# Allegro board 1155001-Timing_board_V3_20241024_1805_pcb.brd (continued)
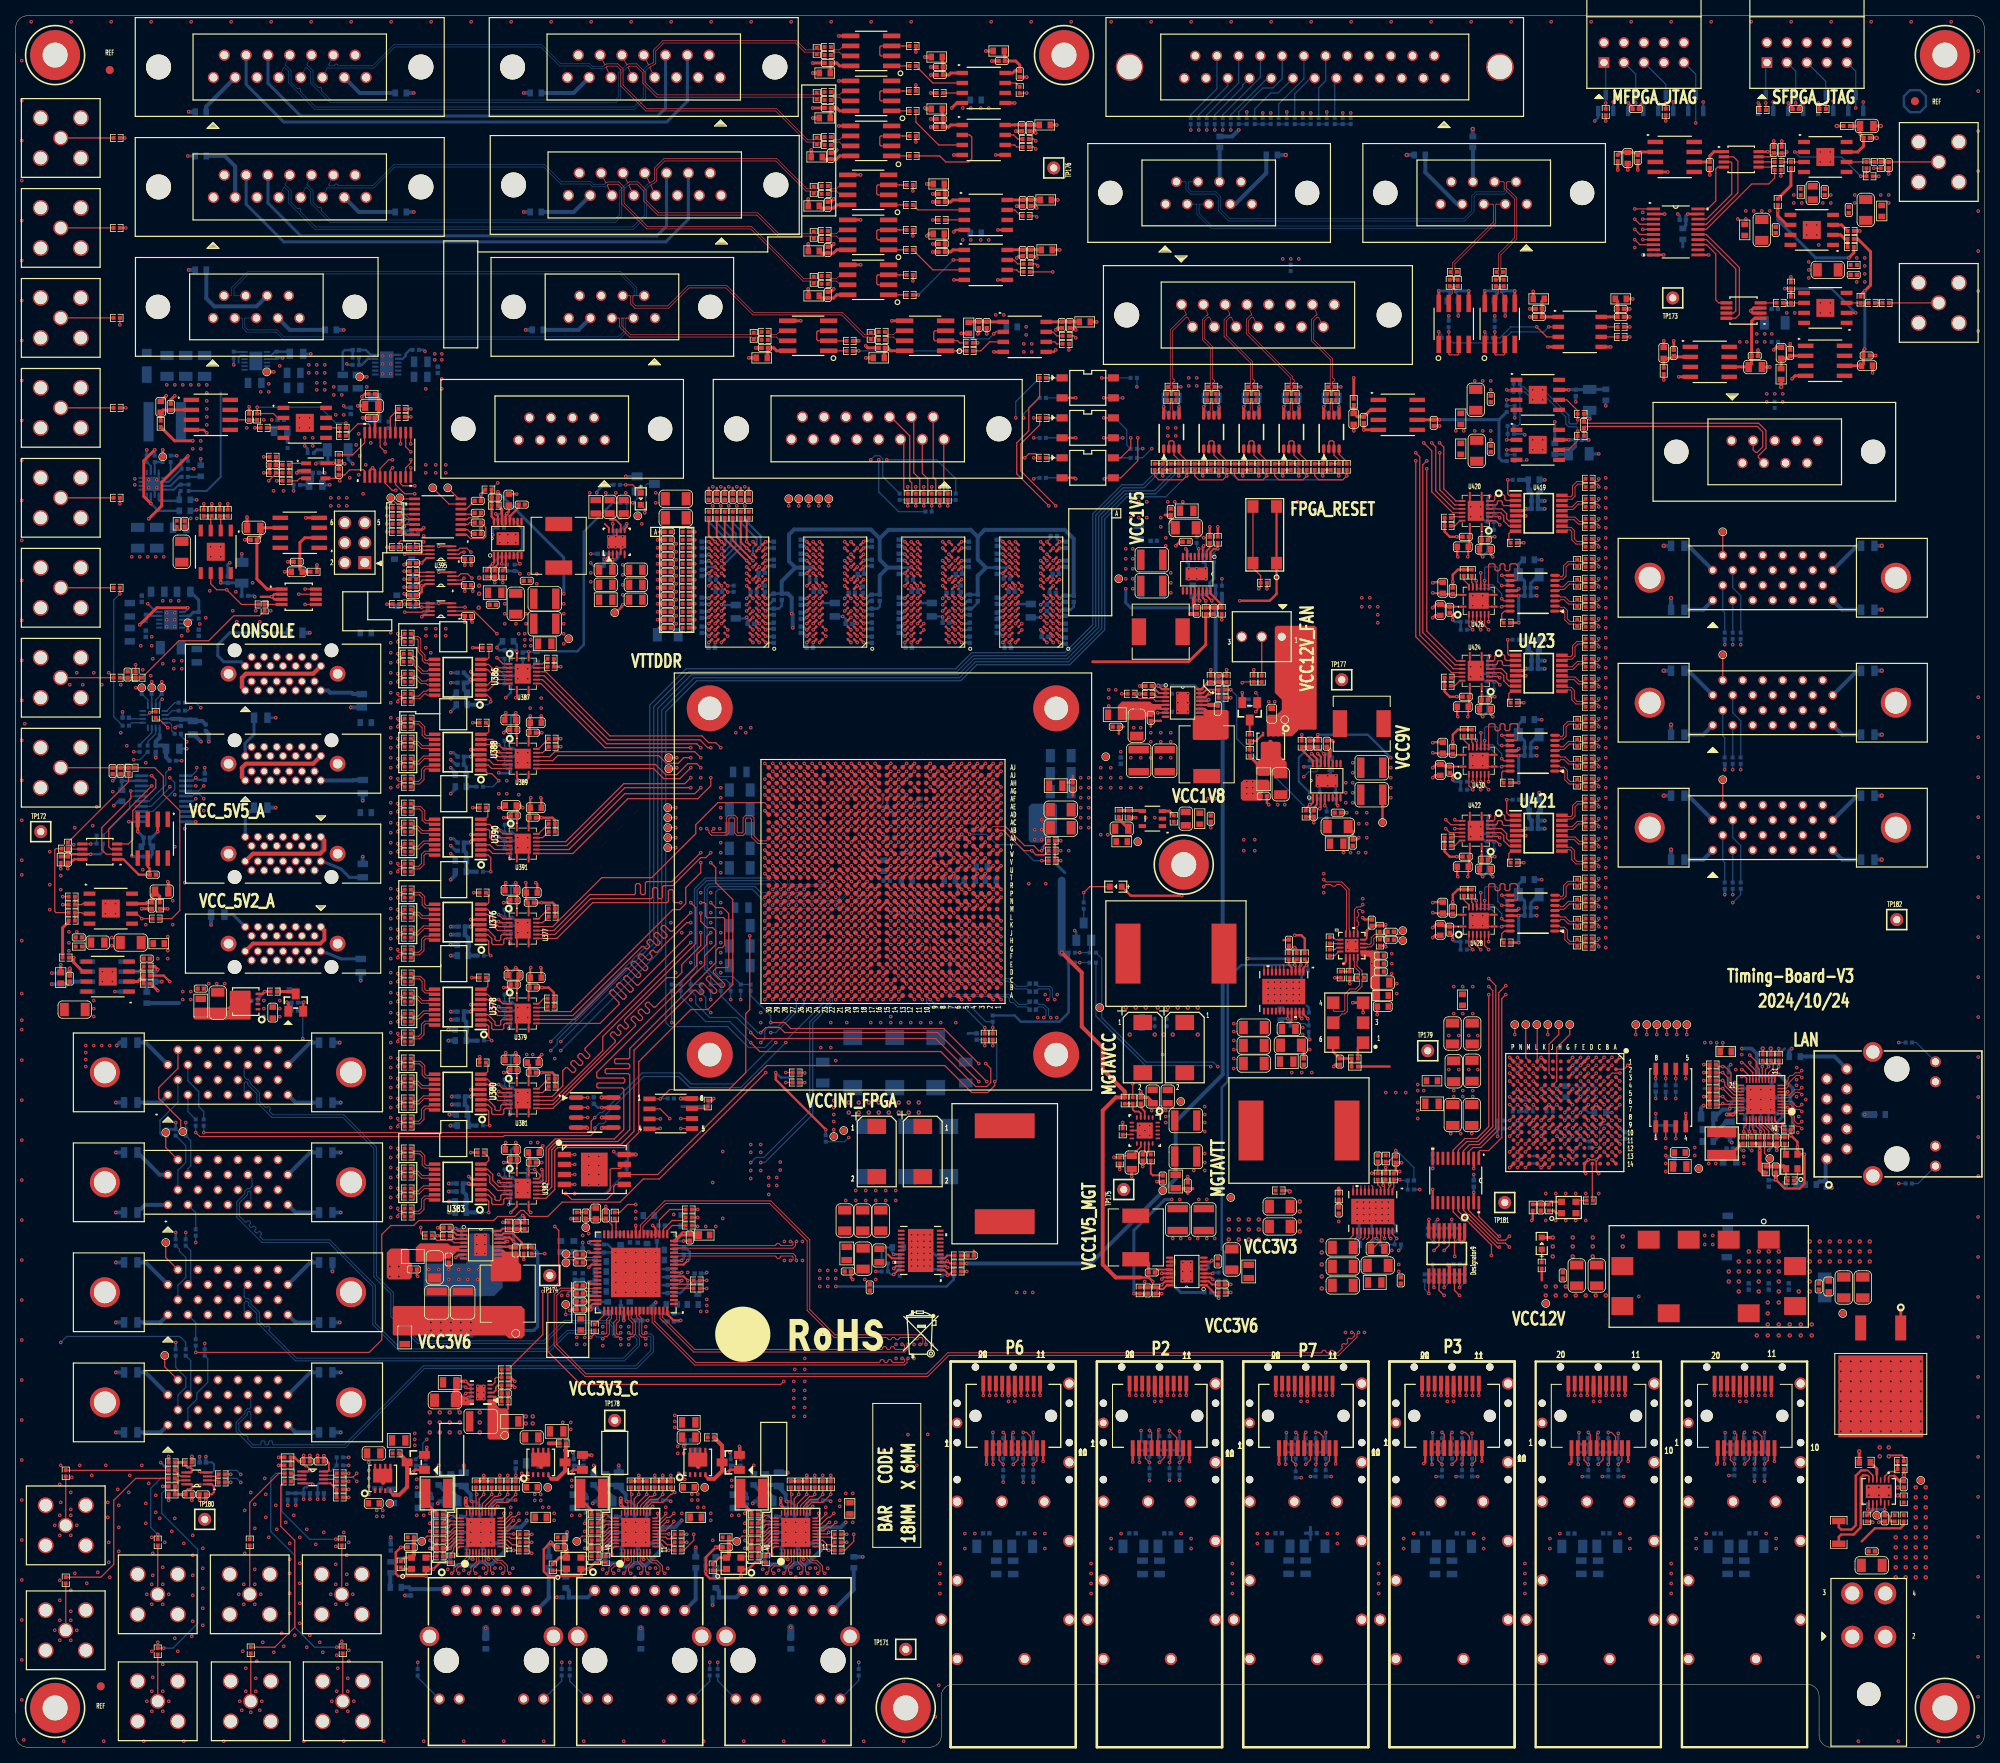
[diagram p0: board, top side]
## Routing (per net, layer and track width the routed paths; a pad name or vN(x,y) marks a point on that pad's centre or on a via; arc(x,y) is an arc through that point) (continued)
N22549937: length 8.7
  BOTTOM w0.157: R2197.1 18.56,77.7 18.32,77.95 18.32,79.66 20.6,81.94 J74.2
N22549943: length 4.4
  BOTTOM w0.508: R2198.1 35.55,81.91 J74.13
N22549949: length 5.1
  BOTTOM w0.508: J74.26 37.39,89.53 R2199.1
N22626918: length 2
  TOP w0.254: R2273.2 62.23,149.91 U298.4
N22626983: length 2
  TOP w0.254: C2530.1 60.83,149.91 61.23,150.31 U298.2
N22627033: length 4.5
  TOP w0.254: R2276.2 59.82,149.63 v1(60.56,150.37) 60.56,150.37 60.73,150.55 U298.1
  BOTTOM w0.305: R2277.1 61.45,151.26 v1(60.56,150.37)
N22627065: length 1.9
  TOP w0.157: v1(64.03,150.37) 63.73,150.67 U298.7
  BOTTOM w0.254: v1(64.03,150.37) 63.93,150.26 R2275.2
N22627067: length 2.6
  TOP w0.279: C2531.2 63.86,157.51 62.73,156.38 U298.12
N22627093: length 20.4
  TOP w0.279: U298.14 61.73,156.87
  TOP w0.381: v1(61.23,159.52) C2532.2 R2278.2 61.73,157.26 61.73,156.87
  BOTTOM w0.381: v1(61.23,159.52) 69.6,151.16 v1(69.6,146.56)
  vias: v1(69.6,145.29) v1(69.6,144.02) v1(69.6,142.75) v1(69.6,141.48) v1(69.6,140.21)
N22627109: length 4.2
  TOP w0.279: U298.16 60.73,156.06 60.43,156.36 R2278.1 C2532.1 R2279.1
N22627147: length 3.6
  TOP w0.254: v1(60.96,156.72) 61.23,156.44 U298.15
  BOTTOM w0.254: v1(60.96,156.72) 61.59,156.72 62,156.32 R2281.2 R2280.2
N22627257: length 1.7
  TOP w0.254: U298.3 61.73,150.38 v1(61.72,150.37)
  BOTTOM w0.254: R2274.1 61.83,150.26 v1(61.72,150.37)
N22722605: length 3.5
  TOP w0.157: R2077.1 47.57,169 U271.15
N22722607: length 2.2
  TOP w0.157: U271.14 48.22,168.63 R2078.1
N22722971: length 5.3
  TOP w0.356: 45.62,168.9 46.06,169.35 C2421.1 46.06,171.51 L266.2 ; 45.62,168.9 C2420.1 ; 45.62,168.9 U271.18
N22755962: length 1.5
  TOP w0.157: TP78.1 v1(18.54,135.38)
  BOTTOM w0.157: v1(18.54,135.38) R935.2
N22755964: length 1.5
  TOP w0.157: TP79.1 v1(17.27,135.38)
  BOTTOM w0.157: R936.2 17.27,135.05 17.28,135.05 17.28,135.38 v1(17.27,135.38)
N22755966: length 1.5
  TOP w0.157: TP80.1 v1(15.24,134.62)
  BOTTOM w0.157: v1(15.24,134.62) 15.26,134.64 R937.2
N22756028: length 1.8
  TOP w0.157: R946.1 17.16,131.59 v1(17.02,131.44)
  BOTTOM w0.157: U98.7 16.74,131.17 v1(17.02,131.44)
N22756030: length 1.8
  BOTTOM w0.157: U98.6 14.51,130.67 C885.1
N22756034: length 2
  BOTTOM w0.157: U98.14 19.33,131.17 19.86,131.7 R944.1
N22756036: length 2.2
  BOTTOM w0.157: R945.1 20.19,132.72 19.15,131.67 U98.13
N22756038: length 5.6
  BOTTOM w0.229: 18.28,128.65 U98.1
  BOTTOM w0.508: L47.2 19.09,125.8 C882.1 18.69,127.27 C881.1 17.78,127.76 18.28,128.26 18.28,128.65
N22756100: length 1.9
  BOTTOM w0.157: U98.5 14.75,130.17 R934.2
N22756117: length 1.8
  BOTTOM w0.157: U98.11 17.78,133.08 R935.1
N22756119: length 1.5
  BOTTOM w0.157: U98.10 17.28,133.29 17.27,133.3 R936.1
N22756121: length 1.8
  BOTTOM w0.157: U98.9 16.78,133.06 R937.1
N22756250: length 5.5
  BOTTOM w0.229: U98.15 19.75,130.67
  BOTTOM w0.254: 19.75,130.67 19.8,130.67
  BOTTOM w0.508: 19.8,130.67 20.86,130.67 C883.1 22.29,130.58 C884.1 23.68,130.39 L48.2
N22756394: length 2.3
  BOTTOM w0.157: R943.1 19.79,129.17 19.79,129.95 19.56,130.17 U98.16
N22756428: length 2.7
  BOTTOM w0.157: U98.2 17.78,128.78 16.76,127.76 R931.2
N22758447: length 6.7
  TOP w0.157: R3034.1 J64.1
N22758493: length 6.7
  TOP w0.157: J65.1 R1910.1
N22760132: length 2.1
  TOP w0.157: U280.1 R2183.2
N22760232: length 2.1
  TOP w0.157: U303.1 R2352.2
N22760337: length 2.1
  TOP w0.157: U304.1 R2353.2
N22761206: length 9.3
  BOTTOM w0.157: J82.24 152.55,210.74 149.22,207.41 R2165.2
N22761223: length 9.6
  BOTTOM w0.157: R2166.2 151.26,207.41 155.31,211.47 J82.23
N22761237: length 9.9
  BOTTOM w0.157: R2167.2 153.29,207.41 158.07,212.19 J82.22
N22761806: length 8.2
  BOTTOM w0.157: R2362.2 165.48,210.85 166.35,211.72 J82.19
N22761811: length 9.2
  BOTTOM w0.157: J82.20 163.59,211.98 160.4,208.79 R2361.2
N22761816: length 10.9
  BOTTOM w0.157: R2360.2 155.32,207.77 158.37,210.82 159.65,210.82 160.83,212 J82.21
N22761842: length 5.1
  BOTTOM w0.157: J82.6 167.51,211.85 R2359.2
N22761847: length 6.4
  BOTTOM w0.157: J82.7 164.43,212.07 162.43,210.07 R2358.2
N22761852: length 7.6
  BOTTOM w0.157: J82.8 160.33,210.19 159.38,210.19 157.35,208.16 R2357.2
N22761857: length 7.5
  BOTTOM w0.157: R2162.2 154.31,207.41 158.96,212.07 J82.9
N22761862: length 6.9
  BOTTOM w0.157: J82.10 155.83,211.2 155.83,210.97 152.27,207.41 R2163.2
N22761867: length 6.6
  BOTTOM w0.157: J82.11 153.93,211.1 150.24,207.41 R2164.2
N22767710: length 23.8
  TOP w0.157: TP117.1 v1(103.89,78.49) ; U247.E18 v1(107.14,99)
  ART08 w0.102: v1(107.14,99) 106.74,98.6 106.74,94.84 107.07,94.5
  ART08 w0.117: 107.07,94.5 107.13,94.44 107.13,90.18 106.04,89.08 106.04,84.7 104.39,83.06 104.39,78.99 v1(103.89,78.49)
N22804544: length 9.9
  TOP w0.157: U117.17 172.34,64.64 172.09,64.39 ; 171.07,64.52 171.34,64.79 U117.15 ; 170.05,64.52 170.34,64.8 U117.13 ; 170.69,64.64 170.84,64.79 U117.14 ; C1206.1 172.29,63.32 173.34,64.37 U117.19 ; 169.42,64.64 169.84,65.06 U117.12 ; 171.58,64.52 171.84,64.78 U117.16
N22804791: length 2.6
  TOP w0.157: R1076.2 173.67,71.8 v1(173.67,71.41) 173.68,71.41 173.84,71.25 U117.3
  BOTTOM w0.157: v1(173.67,71.41) 173.67,72 R1090.1
N22804831: length 3
  TOP w0.157: U117.22 174.84,65.19 v1(175.39,64.64)
  BOTTOM w0.157: v1(175.39,64.64) 175.11,64.37 R1077.2 R1084.2
N22804833: length 2.1
  TOP w0.157: U117.20 v1(173.84,64.64)
  BOTTOM w0.157: v1(173.84,64.64) 173.08,65.41 R1079.2
N22804839: length 2.1
  TOP w0.157: v1(174.62,64.64) 174.5,64.64 174.34,64.8 U117.21
  BOTTOM w0.157: R1078.2 174.48,64.79 v1(174.62,64.64)
N22804870: length 5.5
  TOP w0.157: U117.11 169.84,71.33 ; U117.8 171.34,71.36 ; U117.10 170.34,71.34 ; U117.7 171.84,71.37 ; U117.9 170.84,71.35 ; 172.21,71.37 172.34,71.25 U117.6
  TOP w0.508: R2531.1 168.02,70.99
N22804886: length 4.6
  TOP w0.157: U117.1 174.84,70.95 175.01,71.12 R1085.1 v1(175.77,72.12)
  BOTTOM w0.157: R1080.2 C2631.1 175.88,72.01 v1(175.77,72.12)
N22804894: length 1.7
  TOP w0.157: U117.4 173.34,71.11 172.97,71.48 R1083.1
N22804922: length 1.5
  TOP w0.157: C1198.2 R1083.2
N22804942: length 1.8
  TOP w0.157: v1(174.5,71.5) 174.5,71.25 174.34,71.09 U117.2
  BOTTOM w0.157: R1149.1 174.5,71.61 v1(174.5,71.5)
N22807003: length 1.8
  TOP w0.157: U127.7 57.3,45.56 57.15,45.71 v1(57.15,45.72)
  BOTTOM w0.305: R2401.2 57.04,45.83 v1(57.15,45.72)
N22807016: length 2.4
  TOP w0.254: 62.18,42.67 62.5,43 R2404.2 C2582.2
N22807022: length 4.1
  TOP w0.229: R2403.1 61.21,45.97 60.96,45.72 60.96,45.34 60.68,45.06 U127.3
  TOP w0.254: R2403.1 C2582.1 R2404.1
N22807038: length 3.2
  TOP w0.157: R1154.1 R2402.2 61.01,46.99 60.86,46.84 60.86,46.35 60.56,46.06 U127.5
N22807040: length 6.2
  TOP w0.229: U127.6 57.57,46.06 v1(57.15,46.48)
  TOP w0.356: v1(57.15,46.48) 56.09,46.48 L122.2
  BOTTOM w0.254: v1(57.15,46.48) 57,46.63 R2401.1
  BOTTOM w0.305: v1(57.15,44.07) 57.4,44.07 57.78,44.45 57.78,45.85 v1(57.15,46.48)
N22807100: length 1.9
  TOP w0.157: U127.8 57.25,45.06 v1(57.15,44.96)
  BOTTOM w0.305: C2580.2 56.66,44.47 v1(57.15,44.96)
N22839532: length 2.1
  BOTTOM w0.157: U313.4 R2424.1
N22839535: length 4.9
  BOTTOM w0.157: R2405.2 141.1,165.46 141.1,167.39 139.57,168.91 U313.1
N22839549: length 2.1
  BOTTOM w0.157: U313.3 R2425.1
N22839568: length 2.2
  BOTTOM w0.157: R2406.2 U314.1
N22839621: length 2.2
  BOTTOM w0.157: U315.1 R2407.2
N22839848: length 2.5
  TOP w0.157: R2418.2 v1(118.36,157.73)
  BOTTOM w0.157: R2411.1 R2418.2 v1(118.36,157.73)
N22839904: length 1.5
  TOP w0.157: R2419.2 v1(117.35,157.73)
  BOTTOM w0.157: R2419.2 v1(117.35,157.73)
N22839992: length 2.2
  TOP w0.157: R2420.2 v1(116.33,157.73)
  BOTTOM w0.157: R2420.2 v1(116.33,157.73) R2414.1
N22840048: length 1.5
  TOP w0.157: R2421.2 v1(115.32,157.73)
  BOTTOM w0.157: R2421.2 v1(115.32,157.73)
N22840145: length 2.5
  TOP w0.157: R2422.2 v1(113.28,157.73)
  BOTTOM w0.157: R2417.1 R2422.2 v1(113.28,157.73)
N22840201: length 1.5
  TOP w0.157: R2423.2 v1(114.3,157.73)
  BOTTOM w0.157: R2423.2 v1(114.3,157.73)
N22841333: length 2.1
  BOTTOM w0.157: U314.4 R2426.1
N22841335: length 2.1
  BOTTOM w0.157: U314.3 R2427.1
N22841405: length 2.1
  BOTTOM w0.157: U315.4 R2428.1
N22841407: length 2.1
  BOTTOM w0.157: U315.3 R2429.1
N22925507: length 5.5
  TOP w0.381: U317.2 v1(18.03,116.33)
  BOTTOM w0.381: v1(18.03,116.33) 17.27,115.57 C2583.2 17.04,114.73 C2584.1 17.34,113.46 L331.2
N22925529: length 7.1
  TOP w0.305: U318.1 13.68,112.82 15.62,110.87 C2585.2 17,111.65 16.76,111.89 U317.6
N22926185: length 6.6
  TOP w0.305: v1(9.53,113.47) U318.7 6.89,113.47 C2586.2 L332.2
  BOTTOM w0.305: v1(9.53,113.47) 10.72,113.47 11.07,113.81 R3023.1
N22929246: length 1.9
  TOP w0.157: R2368.1 6.68,114.12 U318.6
N22941492: length 7.6
  TOP w0.381: L335.2 C2596.1 36.09,149.65 C2595.2 36.09,153.05 36.7,153.67 U322.2
N22941508: length 12.9
  TOP w0.381: U322.6 C2598.1 31.08,153.87 C2597.2 30.63,148.44 31.92,147.15 U323.1
N22945749: length 3.7
  BOTTOM w0.305: U324.19 13.47,122.8 C2600.1 L336.1
N22972460: length 2.3
  TOP w0.157: U267.3 36.07,161.23 35.75,160.91 R2448.2
N22974010: length 4.3
  BOTTOM w0.508: R2449.1 18.38,40.01 J62.1
N22974014: length 5.1
  BOTTOM w0.508: R2450.1 16.48,47.63 J62.14
N22974670: length 10
  BOTTOM w0.157: R2777.1 24.38,49.38 24.38,46.35 22.99,44.96 22.99,44.2 21.87,43.08 J62.3
N22974777: length 3.8
  TOP w0.157: TP159.1 18.92,48.35 J62.15
N22974815: length 7.8
  BOTTOM w0.157: R2451.1 20.32,48.26 21.59,46.99 21.59,45.72 20.6,44.73 J62.2
N22974821: length 4.3
  BOTTOM w0.508: R2452.1 35.52,40 J62.13
N22974827: length 5.1
  BOTTOM w0.508: J62.26 37.42,47.62 R2453.1
N22974931: length 5.4
  BOTTOM w0.157: R2780.1 22.23,49.13 22.23,45.13 J62.16
N23007137: length 5.3
  BOTTOM w0.381: J104.14 29.15,126.77 29.12,126.8 29.12,127.55 30.27,128.69 R2459.1
N23007141: length 5.3
  BOTTOM w0.508: J104.13 42.88,122.84 42.94,122.9 R2458.1
N23008845: length 17.6
  TOP w0.157: v1(99.14,119) U247.AE26 ; TP102.1 v1(83.82,119.38)
  ART08 w0.117: v1(99.14,119) 98.63,118.49 91.06,118.49 90.8,118.75 84.45,118.75 v1(83.82,119.38)
N23008870: length 29.5
  TOP w0.157: TP103.1 v1(83.95,125.73)
  TOP w0.254: v1(106.14,122) U247.AG20
  ART10 w0.117: v1(106.14,122) 105.66,122.47 105.66,125.35 102.49,128.52 94.33,128.52 92.17,126.36 84.58,126.36 v1(83.95,125.73)
N23008879: length 27.8
  TOP w0.157: v1(83.95,124.46) 83.82,124.33 TP104.1 ; U247.AH20 v1(105.14,123)
  ART10 w0.117: v1(105.14,123) 104.65,123.49 104.65,125.48 101.98,128.14 94.49,128.14 91.26,124.92 84.4,124.92 v1(83.95,124.46)
N23008943: length 24.2
  TOP w0.157: TP105.1 v1(83.82,116.84) ; U247.Y20 v1(105.14,115)
  ART05 w0.117: v1(105.14,115) 104.64,114.5 95.22,114.5 94.28,115.44 85.22,115.44 v1(83.82,116.84)
N23008961: length 19.3
  TOP w0.157: TP106.1 v1(83.82,118.11) ; U247.Y25 v1(100.14,115)
  ART05 w0.117: v1(100.14,115) 99.57,115.57 95,115.57 94.74,115.82 86.11,115.82 v1(83.82,118.11)
N23008979: length 28
  TOP w0.157: TP110.1 v1(83.82,114.3)
  TOP w0.305: U247.R19 v1(107.14,110)
  ART05 w0.102: v1(107.14,110) 106.68,110.46 106.68,111.12 106.3,111.51 104.78,111.51 104.54,111.74 104.54,113.17 104.3,113.4 94.64,113.4
  ART05 w0.117: 94.64,113.4 94.12,113.4 93.41,114.1 84.02,114.1 v1(83.82,114.3)
N23008997: length 25
  TOP w0.157: U247.W19 v1(106.14,114) ; TP111.1 v1(83.82,115.57)
  ART05 w0.102: 94.64,113.94 94.97,113.6 105.74,113.6 v1(106.14,114)
  ART05 w0.117: v1(83.82,115.57) 84.94,114.45 94.12,114.45 94.64,113.94
N23150731: length 18.3
  TOP w0.191: U325.11 81.68,25.5 81.92,25.27 v1(81.92,25.02) ; v1(75.69,24.51) 75.69,25.15 76.05,25.5 U325.40
  BOTTOM w0.356: C2602.1 75.44,24.26 v1(75.69,24.51)
  BOTTOM w0.508: C2602.1 74.82,23.86 75.31,23.37 76.71,23.37 77.09,22.99 78.23,22.99 78.63,23.39 79.35,23.39 79.63,23.11 80.01,23.11 v1(81.92,25.02) 81.92,25.67 C2601.1 81.68,27.32 82.3,27.94 83.69,27.94 v1(84.58,28.83)
  vias: v1(84.58,29.72)
N23150814: length 6.7
  TOP w0.157: U325.29 77.34,30.36 77.22,30.48
  TOP w0.381: 77.22,30.48 76.89,30.81 v1(76.83,30.81)
  TOP w0.508: v1(76.83,31.62) v1(76.83,30.81)
  BOTTOM w0.356: v1(76.83,30.81) 77.27,30.37 C2605.1
  BOTTOM w0.508: L347.2 74.36,32.38 75.18,32.38 75.78,31.79 75.91,31.79 C2604.1
N23151086: length 3.9
  TOP w0.157: R2467.2 73.93,28.64 74.65,29.36 v1(74.65,29.46) 74.78,29.59 75.08,29.59 75.57,29.11 U325.31
  BOTTOM w0.157: v1(74.65,29.46) R2471.1
N23151088: length 3.6
  TOP w0.157: R2472.1 v1(82.93,25.02) 82.75,25.02 81.87,25.9 U325.12
  BOTTOM w0.157: R2472.1 v1(82.93,25.02)
N23151108: length 7.2
  TOP w0.157: U325.28 77.74,31.1 v1(77.6,31.24)
  BOTTOM w0.356: v1(77.6,31.24) 78.1,31.24 78.61,30.73 C2607.1
  BOTTOM w0.508: L348.2 76.43,33.34 C2606.1 76.58,33.02 77.47,32.13 77.47,31.37 v1(77.6,31.24)
N23151124: length 2.8
  TOP w0.157: R2469.1 83.37,25.73 82.73,25.73 82.15,26.31 U325.13
N23151152: length 13.6
  TOP w0.191: U325.38 75.74,26.31 74.83,25.39 v1(74.83,25.27) ; U325.8 v1(79.74,23.88) ; U325.3 v1(77.74,23.88)
  ART03 w0.508: v1(79.74,23.88) v1(77.74,23.88) 76.34,25.27 v1(74.83,25.27)
  BOTTOM w0.356: v1(79.74,23.88) 79.12,24.49 C2609.1 ; v1(77.74,23.88) 77.58,23.88 C2610.1 ; R2474.1 v1(74.83,25.27) 75.42,25.86 C2608.1
N23151160: length 2.8
  TOP w0.157: U325.14 82.53,26.71 82.75,26.49 83.11,26.49 R2470.1
N23151216: length 3.9
  TOP w0.191: v1(80.9,30.61) 80.54,30.25 U325.21
  BOTTOM w0.356: R2475.1 80.52,31.37 80.14,30.99 C2613.1 80.66,30.37 v1(80.9,30.61)
N23151285: length 6.5
  TOP w0.305: L349.1 71.75,31.5 73.13,30.12 R2473.1
  BOTTOM w0.305: 72.26,32.38 72.52,32.13 C2611.1
  BOTTOM w0.356: R2474.2 73.13,25.44 v1(72.29,26.29) ; R2475.2 83.06,31.37 v1(83.19,31.24)
  vias: v1(70.61,33.91) v1(70.61,33.15)
N23151326: length 2.5
  TOP w0.157: R2476.1 74.93,24.51 75.3,24.88 75.3,25.36 75.84,25.9 U325.39
N23151363: length 5.6
  TOP w0.157: U325.35 75.47,27.5 74.79,26.82 71.91,26.82 TP164.1
N23151369: length 2.7
  TOP w0.157: U325.36 75.55,27.11 74.73,26.29 R2477.2
N23151585: length 4.8
  TOP w0.356: R2487.2 69.03,24.09 U326.4
  TOP w0.508: U326.4 69.94,25.07 C2614.1 L350.1
N23151747: length 1.8
  TOP w0.157: R2487.1 69.76,22.46 U326.1
N23151813: length 1.4
  TOP w0.157: R2488.1 71.96,24.26 U326.3
N23152290: length 18.8
  TOP w0.191: U327.11 102,25.5 102.23,25.27 v1(102.23,25.02) ; v1(96.01,24.51) 96.01,25.15 96.37,25.5 U327.40
  BOTTOM w0.356: v1(96.01,24.51) 95.76,24.26 C2617.1
  BOTTOM w0.508: C2617.1 95.14,23.6 95.5,23.24 97.41,23.24 97.77,22.88 98.49,22.88 98.97,23.37 99.69,23.37 99.82,23.24 100.33,23.24 100.58,23.5 100.71,23.5 v1(102.23,25.02) 102.23,25.67 C2618.1 102,27.39 102.55,27.94 104.78,27.94 v1(105.41,28.57)
  vias: v1(106.3,28.57)
N23152300: length 6.7
  TOP w0.191: 97.41,30.56 97.66,30.31 U327.29
  TOP w0.381: 97.41,30.56 v1(97.16,30.81) v1(97.16,31.62)
  BOTTOM w0.356: v1(97.16,30.81) 97.59,30.37 C2620.1
  BOTTOM w0.508: C2619.1 96.23,31.79 96.1,31.79 95.5,32.38 94.68,32.38 L352.2
N23152345: length 3.8
  TOP w0.157: R2498.2 94.25,28.67 94.97,29.39 v1(94.97,29.46) 95.53,29.46 95.89,29.11 U327.31
  BOTTOM w0.157: v1(94.97,29.46) R2502.1
N23152346: length 3.6
  TOP w0.157: U327.12 102.19,25.9 103.07,25.02 v1(103.25,25.02) R2504.1
  BOTTOM w0.157: R2504.1 v1(103.25,25.02)
N23152348: length 7.2
  TOP w0.157: v1(97.92,31.24) 98.06,31.1 U327.28
  BOTTOM w0.356: C2622.1 98.93,30.73 98.42,31.24 v1(97.92,31.24)
  BOTTOM w0.508: L353.2 96.75,33.34 C2621.1 96.9,33.02 97.79,32.13 97.79,31.37 v1(97.92,31.24)
N23152356: length 2.8
  TOP w0.157: R2500.1 103.69,25.73 103.05,25.73 102.47,26.31 U327.13
N23152362: length 13.6
  TOP w0.191: v1(95.15,25.27) 95.15,25.39 96.06,26.31 U327.38 ; U327.8 v1(100.06,23.88) ; U327.3 v1(98.06,23.88)
  ART03 w0.508: v1(100.06,23.88) v1(98.06,23.88) 96.66,25.27 v1(95.15,25.27)
  BOTTOM w0.356: v1(100.06,23.88) 99.44,24.49 C2623.1 ; C2624.1 97.9,23.88 v1(98.06,23.88) ; C2625.1 95.74,25.86 v1(95.15,25.27) R2505.1
N23152366: length 2.6
  TOP w0.157: R2501.1 103.65,26.71 U327.14
N23152374: length 3.9
  TOP w0.191: v1(101.22,30.61) 100.86,30.25 U327.21
  BOTTOM w0.356: R2506.1 100.84,31.37 100.46,30.99 C2628.1 100.98,30.37 v1(101.22,30.61)
N23152387: length 6.9
  TOP w0.356: L354.1 92.07,30.84 92.47,30.84 93.45,29.86 R2503.1
  BOTTOM w0.305: 92.58,32.51 92.84,32.26 C2626.1
  BOTTOM w0.356: R2505.2 93.45,25.44 v1(92.61,26.29) ; R2506.2 103.38,31.37 v1(103.5,31.24)
  vias: v1(90.93,33.91) v1(90.93,33.15)
N23152399: length 2.5
  TOP w0.157: U327.39 96.16,25.9 95.59,25.33 95.59,24.85 95.25,24.51 R2507.1
N23152414: length 5.6
  TOP w0.157: U327.35 95.79,27.5 95.11,26.82 92.23,26.82 TP165.1
N23152417: length 2.7
  TOP w0.157: R2508.2 95.05,26.29 95.87,27.11 U327.36
N23152456: length 4.8
  TOP w0.305: R2518.2 89.35,24.09 U328.4
  TOP w0.508: L355.1 C2629.1 90.57,24.4 U328.4
N23152471: length 1.8
  TOP w0.157: U328.1 90.08,22.46 R2518.1
N23152488: length 1.4
  TOP w0.157: R2519.1 92.28,24.26 U328.3
N23154505: length 5
  BOTTOM w0.508: R2563.1 70.25,19.85 C2770.2 72.66,19.05 J106.1
N23154558: length 6
  BOTTOM w0.508: J106.10 86.36,18.78 L370.2
N23154645: length 3.9
  BOTTOM w0.157: R2573.2 70.36,8.39 J106.11
N23154677: length 3.9
  BOTTOM w0.157: R2575.2 88.14,8.4 J106.14
N23155480: length 4.8
  BOTTOM w0.508: R2564.1 89.3,19.85 C2769.2 91.49,19.05 J107.1
N23155533: length 6.5
  BOTTOM w0.508: L371.2 106.43,20.01 J107.10
N23155620: length 3.9
  BOTTOM w0.157: J107.11 89.15,8.43 R2574.2
N23155652: length 4
  BOTTOM w0.157: J107.14 107.06,8.48 R2576.2
N23159961: length 1.4
  TOP w0.508: R2535.1 67.69,38.61
N23160035: length 6.5
  TOP w0.305: Q22.4 67.65,34.46 68.01,34.1
  TOP w0.508: 68.01,34.1 68.77,34.1 69.77,35.09 Q23.3 69.85,36.28 69.85,37.63 69.77,37.72 69.87,37.82 R2535.2
N23160087: length 3.9
  TOP w0.356: Q23.1 70.81,35.25 v1(70.48,34.92)
  BOTTOM w0.356: v1(70.48,34.92) 70.87,35.31 R2536.1 R2537.1
N23163212: length 7.6
  TOP w0.305: Q24.4 87.59,34.46 87.95,34.1
  TOP w0.508: R2538.2 89.7,38.33 Q25.3 89.7,35.09 88.71,34.1 87.95,34.1
N23163264: length 3.9
  TOP w0.356: Q25.1 90.74,35.25 v1(90.42,34.92)
  BOTTOM w0.356: v1(90.42,34.92) 90.81,35.31 R2539.1 R2540.1
N23170572: length 1.5
  TOP w0.157: R2629.2 35.2,34.54 U353.2
N23170609: length 1.5
  TOP w0.157: R2631.2 35.2,34.04 U353.3
N23303910: length 2
  TOP w0.381: C2640.1 140.08,117.94 R2533.1
N23303965: length 1.7
  TOP w0.381: U329.3 146.52,118.93 R2532.2
N23303971: length 3
  TOP w0.381: U329.4 142.99,119.02 R2534.1 R2533.2
N23415975: length 1.9
  TOP w0.254: R2541.2 Q21.3
N23419946: length 6.6
  BOTTOM w0.508: J87.4 34.8,180.09 L400.2
N23443710: length 6.6
  BOTTOM w0.508: J89.4 71.48,180.09 L401.2
N23444043: length 7.3
  BOTTOM w0.508: L406.2 43.7,210.19 J92.7
N23444245: length 7.2
  BOTTOM w0.508: L414.2 43.57,195.07 J91.7
N23467729: length 6.9
  BOTTOM w0.508: L407.2 70.86,210.19 J86.7
N23468249: length 7.1
  BOTTOM w0.508: J93.7 70.86,195.07 L415.2
N23474027: length 7.1
  TOP w0.157: v1(175.26,75.82) C2632.1 175.03,75.08 174.35,74.4 R2529.2
  BOTTOM w0.157: C2631.2 177.57,73.64 175.39,75.82 v1(175.26,75.82)
N23475144: length 1
  TOP w0.508: R2531.2 C2637.1
N23555549: length 1.6
  TOP w0.157: R2772.2 167.49,100.56 168.03,101.1 U245.16
N23559051: length 1.4
  TOP w0.157: U94.3 224.66,75.51 R858.1
N23559054: length 4.3
  TOP w0.254: U94.4 224.83,72.21 R848.2
  TOP w0.508: U94.4 224.52,73.81 C839.1 L45.1
N23559055: length 1.7
  TOP w0.157: U94.1 226.28,72.46 R848.1
N23559070: length 7.2
  TOP w0.157: v1(217.68,81.15) 217.82,81.3 U93.28
  BOTTOM w0.356: v1(217.68,81.15) 217.68,81.66 218.19,82.17 C847.1
  BOTTOM w0.508: v1(217.68,81.15) 217.55,81.03 216.79,81.03 215.9,80.14 C846.1 215.58,79.99 L245.2
N23559071: length 3.6
  TOP w0.157: R853.1 v1(223.9,86.49) 223.9,86.31 223.02,85.42 U93.12
  BOTTOM w0.157: R853.1 v1(223.9,86.49)
N23559075: length 5.7
  TOP w0.356: L246.1 217.8,75.31 219.18,76.69 R2046.1
  BOTTOM w0.356: R2048.2 217.55,86.49 v1(217.81,86.74) ; R2047.2 223.48,76.69 v1(222.63,75.84)
  vias: v1(215.01,74.17) v1(215.9,74.17)
N23559082: length 3.9
  TOP w0.191: v1(218.31,84.45) 218.67,84.1 U93.21
  BOTTOM w0.356: R2048.1 217.55,84.07 217.93,83.69 C855.1 218.55,84.22 v1(218.31,84.45)
N23559084: length 12.3
  TOP w0.191: v1(223.67,78.36) 223.56,78.36 222.61,79.3 U93.38 ; U93.8 v1(225.04,83.3) ; U93.3 v1(225.04,81.3)
  BOTTOM w0.305: v1(225.04,81.3) 224.44,81.3 224.43,81.28
  BOTTOM w0.356: C852.1 223.03,78.97 223.65,78.36 v1(223.67,78.36) ; v1(225.04,83.3) 224.43,82.68 C853.1
  BOTTOM w0.381: R2047.1 223.65,78.33 v1(223.67,78.36) 223.65,78.38 223.65,79.38 224.43,80.16 C854.1 C853.1
N23559090: length 20
  TOP w0.191: U93.11 223.42,85.24 223.65,85.47 v1(223.9,85.47) ; v1(224.41,79.25) 223.77,79.25 223.42,79.61 U93.40
  BOTTOM w0.356: v1(224.41,79.25) 224.66,78.99 C851.1
  BOTTOM w0.457: v1(219.2,88.77) 220.47,88.77 221.11,88.14 221.11,85.72 221.6,85.24 C842.1 223.25,85.47 v1(223.9,85.47) 223.94,85.47 225.68,83.73 225.68,83.08 225.36,82.76 225.36,82.11 225.68,81.79 225.68,78.74 225.32,78.38 C851.1
  vias: v1(219.2,88.01)
N23559168: length 2.7
  TOP w0.157: U93.36 221.81,79.1 222.63,78.29 R844.2
N23559181: length 6.7
  TOP w0.191: 218.49,80.77 218.61,80.9 U93.29
  TOP w0.381: 218.49,80.77 v1(218.11,80.39)
  TOP w0.508: v1(217.3,80.39) v1(218.11,80.39)
  BOTTOM w0.356: C849.1 218.55,80.83 v1(218.11,80.39)
  BOTTOM w0.508: L244.2 216.53,77.91 216.53,78.74 217.13,79.34 217.13,79.46 C850.1
N23559182: length 3.8
  TOP w0.157: R850.2 220.25,77.49 219.5,78.23 v1(219.45,78.23) 219.45,78.76 219.81,79.12 U93.31
  BOTTOM w0.157: R852.1 219.45,77.49 v1(219.45,78.23)
N23559211: length 5.6
  TOP w0.157: TP20.1 222.1,75.47 222.1,78.35 221.42,79.03 U93.35
N23559251: length 2.8
  TOP w0.157: R854.1 223.19,86.93 223.19,86.28 222.61,85.71 U93.13
N23559272: length 2.5
  TOP w0.157: U93.39 223.02,79.4 223.56,78.85 224.04,78.85 224.41,78.49 R845.1
N23562546: length 4.3
  BOTTOM w0.508: J6.1 229.87,74.61 C838.2 229.07,71.9 R833.1
N23562568: length 6.6
  BOTTOM w0.508: L242.2 230.98,87.76 J6.10
N23562569: length 4
  BOTTOM w0.157: J6.14 241.36,89.53 R835.2
N23562574: length 3.9
  BOTTOM w0.157: J6.11 241.59,71.63 R834.2
N23566288: length 5.9
  BOTTOM w0.508: R2785.1 49.93,20.32 C2870.2 54.54,20.09 J109.1
N23566341: length 6.1
  BOTTOM w0.508: J109.10 67.69,18.95 L429.2
N23566428: length 4.1
  BOTTOM w0.157: R2790.2 51.05,8.86 J109.11
N23566460: length 3.9
  BOTTOM w0.157: J109.14 69.34,8.43 R2791.2
N23568689: length 7.6
  TOP w0.305: Q26.4 47.58,32.43 47.94,32.07
  TOP w0.508: 47.94,32.07 48.7,32.07 49.7,33.06 Q27.3 49.7,36.3 R2774.2
N23568741: length 3.9
  TOP w0.356: Q27.1 50.74,35.25 v1(50.42,34.92)
  BOTTOM w0.356: R2776.1 R2775.1 50.8,35.31 v1(50.42,34.92)
N23571054: length 18.3
  TOP w0.191: U374.11 62,25.5 62.23,25.27 v1(62.23,25.02) ; U374.40 56.37,25.5 56.01,25.15 v1(56.01,24.51)
  BOTTOM w0.356: C2852.1 62,25.25 v1(62.23,25.02) ; v1(56.01,24.51) 55.75,24.26 C2853.1
  BOTTOM w0.508: C2852.1 62,27.2 62.74,27.94 64.14,27.94 64.9,28.7 v1(64.9,28.83) ; v1(62.23,25.02) 60.48,23.27 59.8,23.27 59.79,23.28 59.78,23.28 59.54,23.52 58.82,23.52 58.39,23.09 55.78,23.09 55.14,23.73 C2853.1
  vias: v1(64.9,29.72)
N23571137: length 6.7
  TOP w0.191: U374.29 57.65,30.31 57.53,30.43
  TOP w0.381: v1(57.15,30.81) 57.53,30.43
  TOP w0.508: v1(57.15,30.81) v1(57.15,31.62)
  BOTTOM w0.356: v1(57.15,30.81) 57.59,30.37 C2855.1
  BOTTOM w0.508: L423.2 54.67,32.38 55.5,32.38 56.09,31.79 56.22,31.79 C2854.1
N23571394: length 3.8
  TOP w0.157: R2741.2 54.25,28.67 54.97,29.39 v1(54.97,29.46) 55.52,29.46 55.88,29.11 U374.31
  BOTTOM w0.157: v1(54.97,29.46) R2745.1
N23571396: length 3.6
  TOP w0.157: R2747.1 v1(63.25,25.02) 63.07,25.02 62.18,25.9 U374.12
  BOTTOM w0.157: R2747.1 v1(63.25,25.02)
N23571416: length 7.2
  TOP w0.152: U374.28 58.06,31.1 v1(57.91,31.24)
  BOTTOM w0.356: C2857.1 58.93,30.73 58.42,31.24 v1(57.91,31.24)
  BOTTOM w0.508: L424.2 56.75,33.34 C2856.1 56.9,33.02 57.78,32.13 57.78,31.37 v1(57.91,31.24)
N23571432: length 2.8
  TOP w0.157: U374.13 62.47,26.31 63.04,25.73 63.68,25.73 R2743.1
N23571460: length 13.5
  TOP w0.191: U374.38 56.06,26.31 55.14,25.39 v1(55.14,25.27) ; U374.8 v1(60.05,23.9) ; U374.3 v1(58.06,23.9)
  ART03 w0.508: v1(60.05,23.9) v1(58.06,23.9) 58.03,23.9 56.66,25.27 v1(55.14,25.27)
  BOTTOM w0.356: C2858.1 57.87,23.9 v1(58.06,23.9) ; C2860.1 55.73,25.89 55.14,25.3 v1(55.14,25.27) R2748.1 ; C2859.1 59.44,24.49 60.03,23.9 v1(60.05,23.9)
N23571468: length 2.8
  TOP w0.157: U374.14 62.7,26.71 62.88,26.53 63.47,26.53 R2744.1
N23571522: length 3.9
  TOP w0.191: v1(61.21,30.61) 60.86,30.25 U374.21
  BOTTOM w0.356: v1(61.21,30.61) 60.98,30.37 C2863.1 60.45,30.99 60.83,31.37 R2749.1
N23571591: length 6.8
  TOP w0.356: L425.1 52.07,30.84 52.34,30.84 53.45,29.74 R2746.1
  BOTTOM w0.305: C2861.1 52.83,32.26 52.58,32.51
  BOTTOM w0.356: v1(52.6,26.29) 53.45,25.44 R2748.2 ; R2749.2 63.45,31.37 v1(63.5,31.42)
  vias: v1(50.93,34.04) v1(50.93,33.02)
N23571632: length 2.5
  TOP w0.157: U374.39 56.16,25.9 55.63,25.38 55.63,25.02 55.24,24.64 R2750.1
N23571669: length 5.6
  TOP w0.157: TP169.1 52.22,26.82 55.11,26.82 55.79,27.5 U374.35
N23571675: length 2.7
  TOP w0.157: R2751.2 55.05,26.29 55.86,27.11 U374.36
